# KiCad board BigBoy.kicad_pcb (continued)
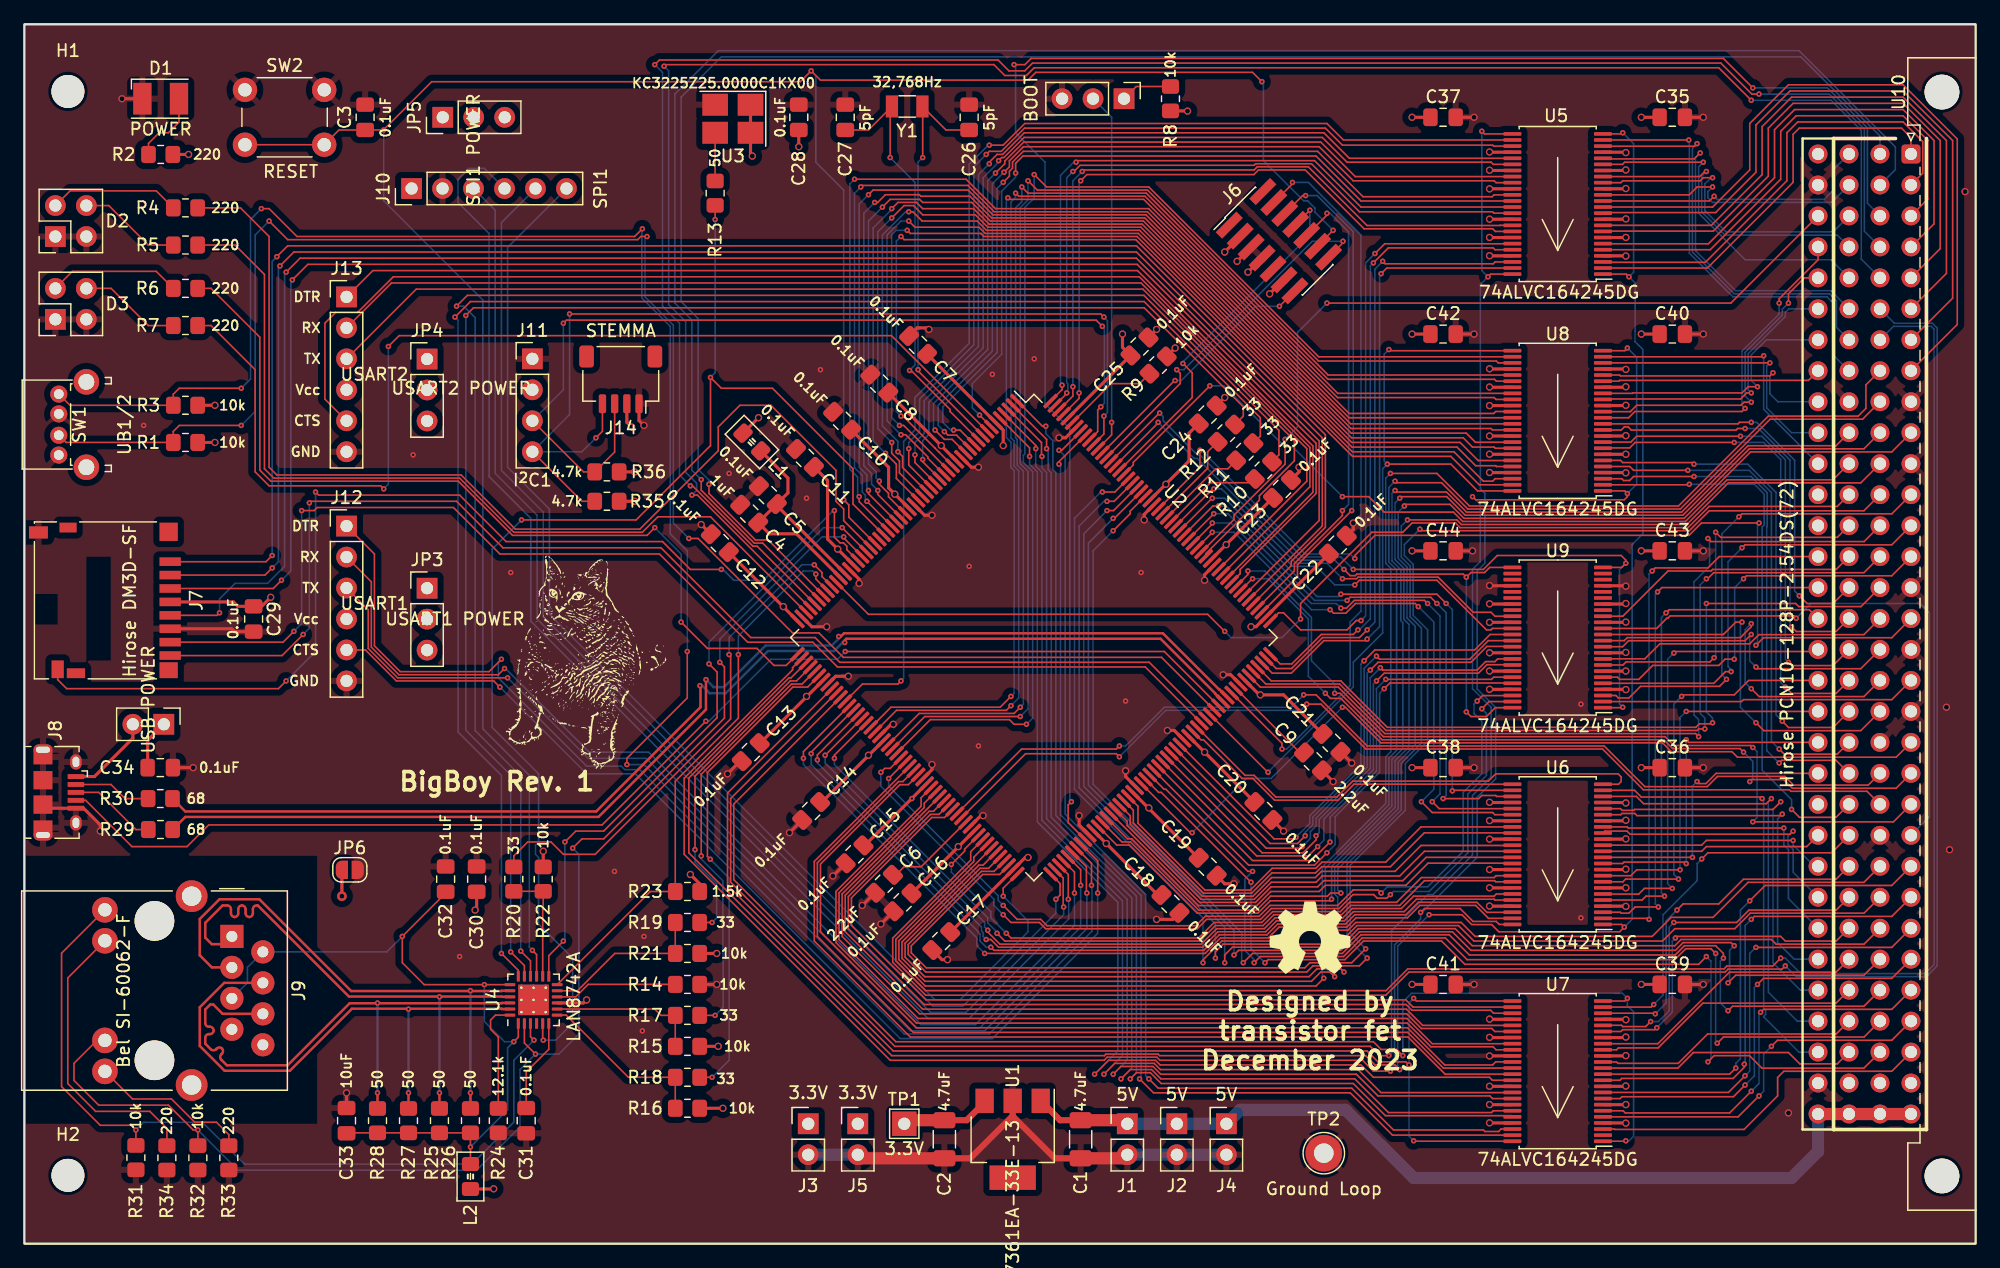
[diagram p0: board, top side]
## Routing (per net, layer and track width the routed paths; a pad name or vN(x,y) marks a point on that pad's centre or on a via; arc(x,y) is an arc through that point) (continued)
~{VSYSRESET}: length 90.8
  Top w0.127: v2(98.42,50.22) 97.03,51.61 69.21,51.61 U2.43 ; U10.c12 148.65,60.46 138.16,60.46 136.42,58.73 117.73,58.73 117.35,59.11 113.79,59.11 113.03,58.34 110.49,58.34 104.65,52.5 v2(104.65,51.23)
  Bottom w0.127: v2(104.65,51.23) 103.12,49.71 98.93,49.71 v2(98.42,50.22)
~{VWRITE}: length 32.9
  Top w0.127: U10.a14 153.13,54.78 141.21,54.78 v2(140.97,54.53) ; v2(140.21,47.93) 139.45,47.93 138.94,47.42 133.52,47.42 132.38,46.28 130.81,46.28 130.63,46.46 U9.6
  Bottom w0.127: v2(140.21,47.93) 140.24,47.97 140.24,53.81 v2(140.97,54.53)
Net-(C6-Pad1): length 7.7
  Top w0.127: 71.35,30.12 72.14,30.91 73.53,30.91 U2.92
Net-(C9-Pad1): length 7.8
  Top w0.127: C9.1 104.58,40.28 U2.148
Net-(D1-A): length 6.1
  Top w0.127: D1.2 12.68,91.98 11.81,91.11 11.05,91.11 10.18,90.24 R2.2
Net-(D2-A1): length 8.5
  Top w0.127: R5.2 10.16,81.9 6.92,85.14 D2.1
Net-(D2-A2): length 10.7
  Top w0.127: R4.2 10.81,86.35 3.75,86.35 D2.3
Net-(D3-A1): length 8.4
  Top w0.127: D3.1 7.11,78.35 10.16,75.3 R7.2
Net-(D3-A2): length 10.8
  Top w0.127: D3.3 3.94,79.74 10.81,79.74 R6.2
Net-(J8-D+): length 7.2
  Top w0.127: R29.1 9.14,33.96 6.1,37.01 J8.3
Net-(J8-D-): length 6.4
  Top w0.127: J8.2 7.1,37.66 8.26,36.5 R30.1
Net-(J8-VBUS): length 7.1
  Top w0.254: JP2.2 8.9,41.46 5.75,38.31 J8.1
Net-(J9-PadL2): length 24
  Top w0.127: J9.L2 3.56,21.79 3.56,13.13 5.84,10.85 10.29,10.85 11.68,9.45 R34.1
Net-(J9-PadL4): length 13.2
  Top w0.127: J9.L4 8.87,11.86 12.07,11.86 13.97,9.96 15.75,9.96 16.76,8.94 R33.1
Net-(J9-RCT): length 64.3
  Top w0.127: L2.1 v2(36.58,7.93) R26.1 R25.1 R27.1 R28.1 26.45,9.08 C33.1 ; C32.1 34.54,28.75 v2(30.99,25.2) 30.99,23.04 32.79,21.24 v2(37.72,21.24) U4.19 ; v2(40.13,16.56) 40.5,16.93 U4.1
  Bottom w0.127: J9.5 18.29,21.39 18.29,22.66 J9.2 29.72,23.93 v2(30.99,25.2) ; v2(37.72,21.24) 37.72,18.21 39.37,16.56 v2(40.13,16.56) 39.62,16.05 39.62,10.97 v2(36.58,7.93)
Net-(J10-Pin_1): length 8
  In2.Cu w1: J10.1 36.84,91.63 36.84,92.38 36.83,92.38
Net-(J12-Pin_4): length 6.6
  In2.Cu w0.127: 33.01,51.23 JP3.2
  In2.Cu w1: J12.4 33.01,51.23
Net-(J13-Pin_4): length 6.6
  In2.Cu w1: 33.02,70.03 J13.4
Net-(JP1-A): length 4.2
  Top w0.127: JP1.1 91.17,94.9 R8.2
Net-(JP1-C): length 29.8
  Top w0.127: U2.197 89.15,66.33 v2(89.15,67.36)
  Bottom w0.127: v2(89.15,67.36) 89.15,92.38 JP1.2
Net-(JP6-A): length 37.5
  Top w0.254: v3(26.03,28.5) 26.03,30.5
  In1.Cu w0.254: J9.SH 13.72,28.5 v3(26.03,28.5) 26.03,20.88 21.46,16.31 J9.8 16.25,13.01 J9.SH
Net-(U2A-PC14): length 34
  Top w0.127: C26.1 75.57,91.34 Y1.2 73.66,93.25 v2(73.66,89.08) ; v2(73.28,71.68) 73.28,71.59 U2.9
  Bottom w0.127: v2(73.28,71.68) 73.28,88.7 v2(73.66,89.08)
Net-(U2A-PC15): length 35.5
  Top w0.127: U2.10 75.91,68.25 75.91,68.41 72.71,71.62 v2(72.58,71.62) ; C27.1 69.21,91.34 Y1.1 70.99,93.12 v2(70.99,89.08)
  Bottom w0.127: v2(70.99,89.08) 73.03,87.05 73.03,72.06 v2(72.58,71.62)
Net-(U2B-PG11): length 8.3
  Top w0.127: R10.1 100.58,62.41 97.25,62.41 U2.180
Net-(U2B-PG12): length 7.6
  Top w0.127: U2.181 97.69,63.55 98.68,63.55 R11.1
Net-(U2B-PG13): length 7.7
  Top w0.127: R12.1 97.03,64.95 97.03,63.6 U2.182
Net-(U2D-PDR_ON): length 8
  Top w0.127: U2.203 89.11,70.54 91.44,70.54 R9.2
Net-(U2D-VDDA): length 24.5
  Top w0.254: L1.1 62.61,62.79 62.61,61.58 C5.2 ; C5.2 61.69,60.54 U2.41 ; C5.2 C4.2 61.09,58.22 63.31,58.22 U2.42
Net-(U3-CLK): length 4
  Top w0.127: R13.1 U3.3
Net-(U4-CRS_DV/MODE2): length 13.5
  Top w0.127: U4.11 45.35,20.74 48.41,23.8 R21.2 R19.2
Net-(U4-LED1/REGOFF): length 67.8
  Top w0.127: v2(41.78,16.69) 41.5,16.97 U4.3 ; R31.1 v2(9.14,9.32) 8.76,9.7 6.22,9.7 3.05,12.88 3.05,23.82 J9.L1
  Bottom w0.127: v2(9.14,9.32) 9.78,9.96 14.61,9.96 18.03,6.53 36.7,6.53 40.13,9.96 40.13,15.04 v2(41.78,16.69)
Net-(U4-RBIAS): length 9.3
  Top w0.127: R24.1 38.86,16.94 38.23,17.58 38.23,18.34 38.63,18.74 U4.24
Net-(U4-RXD0/MODE0): length 12.4
  Top w0.127: R15.2 R17.2 52.2,18.72 51.68,19.24 U4.8
Net-(U4-RXD1/MODE1): length 14.3
  Top w0.127: U4.7 44.43,18.74 49.53,13.64 R18.2 R16.2
Net-(U4-RXER/PHYAD0): length 10.1
  Top w0.127: U4.10 45.21,20.24 46.23,21.26 R14.1
Net-(U4-VDDCR): length 7.7
  Top w0.127: C31.1 41.15,14.08 43,15.94 U4.6
Net-(U4-~{INT}/REFCLKO): length 9.4
  Top w0.127: R20.2 R22.2 42.55,27.61 42.5,27.57 U4.14

## Copper pours and planes (outline as drawn; the poured copper is in the pictures)
+3.3V on In2.Cu: 0,100 124.46,100 124.46,-0.08 0,-0.08 0,9.83 24,9.83 24,31.8 0,31.8
+5V on In2.Cu: 127,100 160.02,100 160.02,-0.08 127,-0.08
GND on Top: 0,100 160.02,100 160.02,-0.08 0,-0.08 0,9.83 24,9.83 24,31.8 0,31.8
GND on Bottom: 0,100 160.02,100 160.02,-0.08 0,-0.08 0,9.83 24,9.83 24,31.8 0,31.8
GND on In1.Cu: 0,100 160.02,100 160.02,-0.08 0,0.05 0,9.83 24,9.83 24,31.8 0,31.8

## Text on the board
F.Silkscreen: DTR | RX | TX | Vcc | CTS | GND | BigBoy Rev. 1 | Designed by / transistor fet / December 2023
